# Altium PCB PCB_Smart_Switchboard.PcbDoc
Units mm, origin at the board's own origin, x right, y up, seen from the top; angles counter-clockwise.
Board outline 73 x 41 mm, 4 copper layers (Top Layer, Signal Top, Signal Bottom, Bottom Layer), stack 1.477 mm thick; 34 components, 33 nets, 219 pads, 0 vias.
Unrouted connection lines stored in the file: 55.
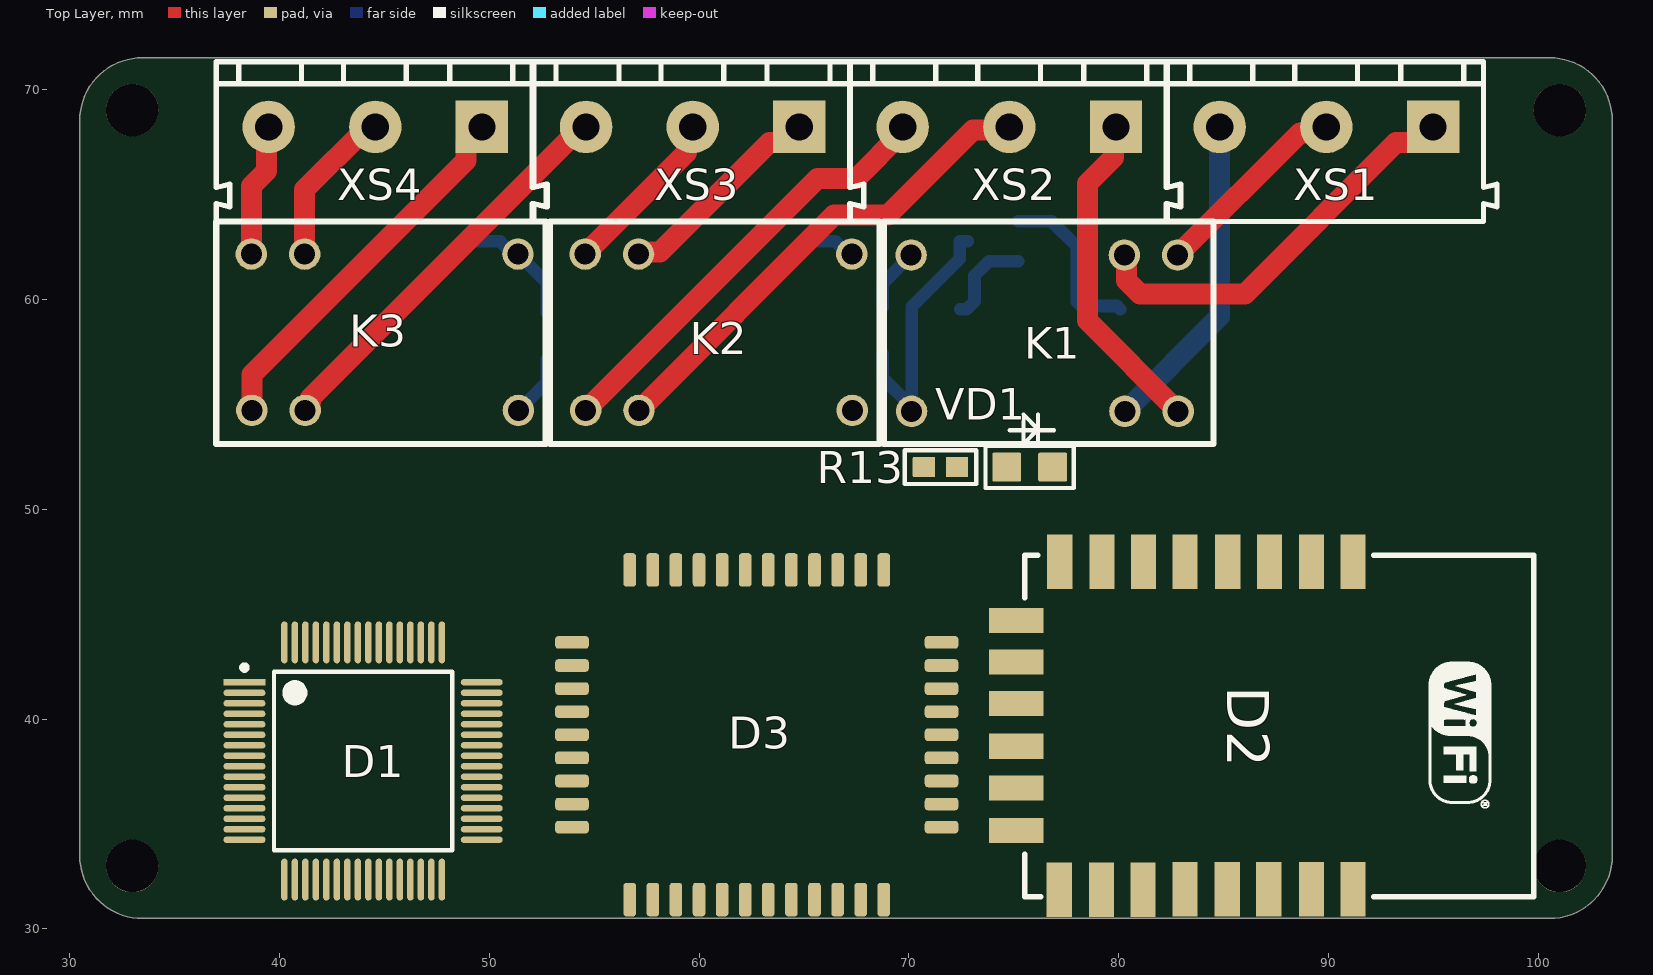
[diagram p0: Top Layer view]
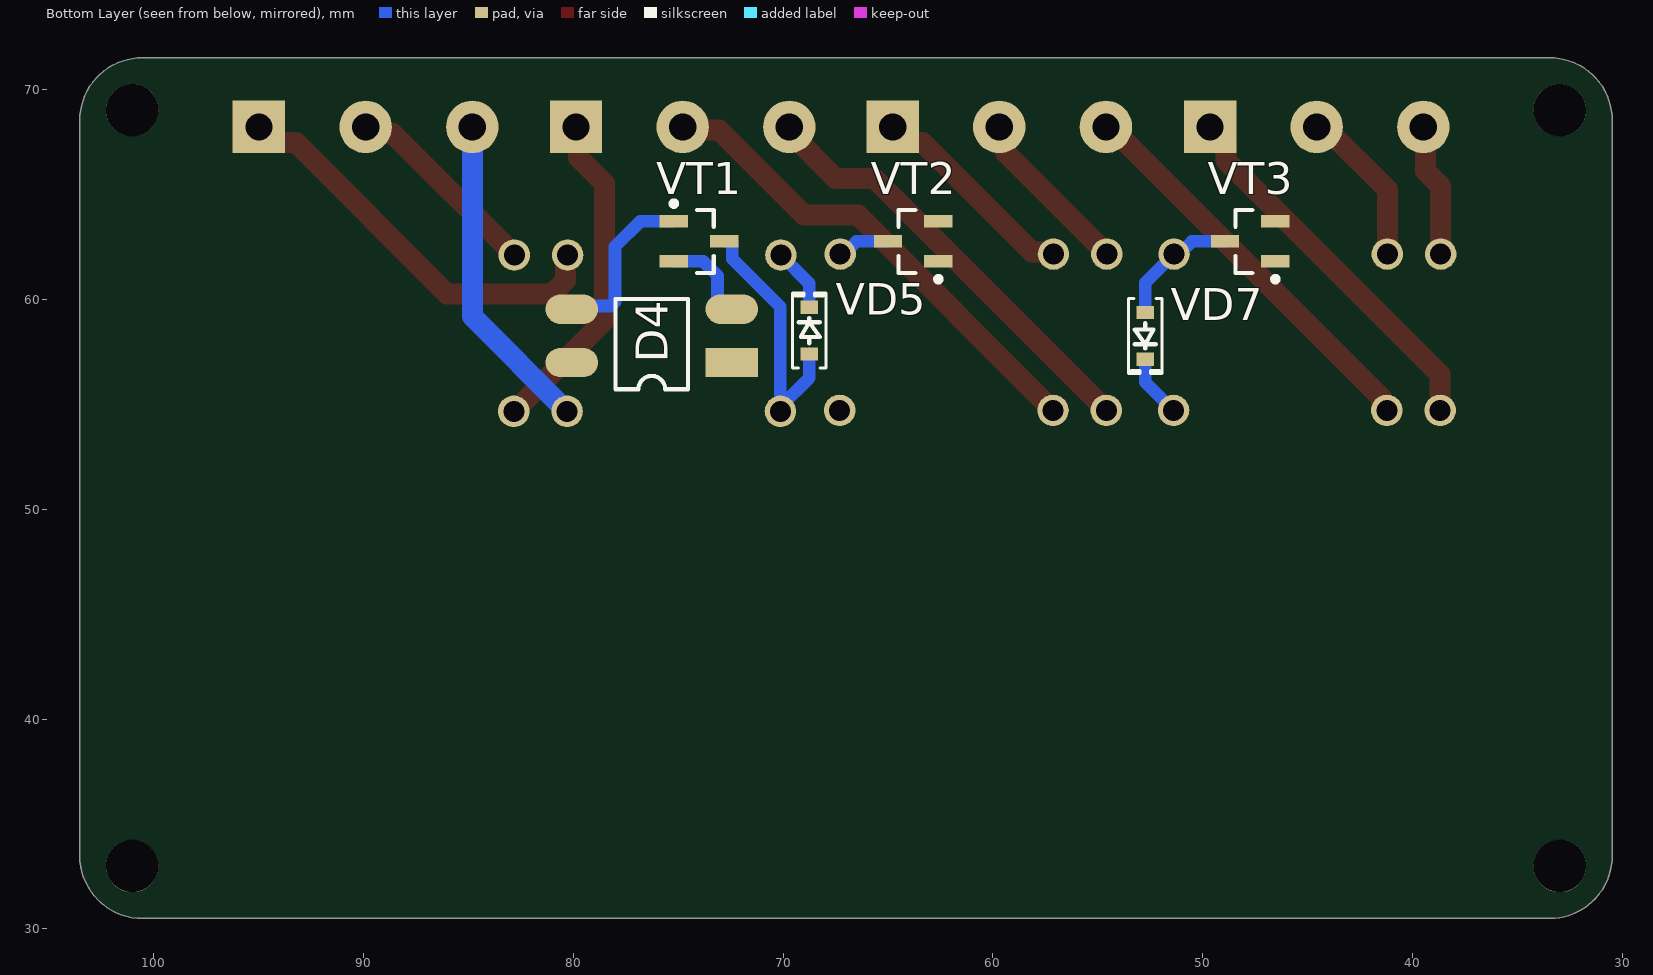
[diagram p1: Bottom Layer view, seen from below]

## Layer stack, top to bottom
Top Solder: solder mask 0.0102, Solder Resist, Dk 3.5
Top Layer: signal copper 0.0175
Dielectric 2: prepreg 0.2083, PP-022, Dk 4.5
Signal Top: signal copper 0.0175
Dielectric 1: core 0.9906, Core-042, Dk 4.6
Signal Bottom: signal copper 0.0175
Dielectric 3: prepreg 0.2083, PP-022, Dk 4.5
Bottom Layer: signal copper 0.0175
Bottom Solder: solder mask 0.0102, Solder Resist, Dk 3.5

## Board outline
30.5,33.5 30.5,68.5 cw(c33.5,68.5) 33.5,71.5 100.5,71.5 cw(c100.5,68.5) 103.5,68.5 103.5,33.5 cw(c100.5,33.5) 100.5,30.5 33.5,30.5 cw(c33.5,33.5)

## Design rules (kind name [scope] priority, off if disabled: settings)
BoardOutlineClearance [All] p1: gap=0.4 ignorepadtopadclearanceinfootprint=FALSE
Clearance [All] p1: gap=0.2 ignorepadtopadclearanceinfootprint=FALSE
ComponentClearance [All] p1: gap=-0.05 collisioncheckmode=3 verticalgap=0.1 showdistances=FALSE
DiffPairsRouting [All] p1: maxlimit=0.15 minlimit=0.125 mostfreqgap=0.125 toplayer_minwidth=0.125 toplayer_maxwidth=1.2 toplayer_prefwidth=0.125 midlayer1_minwidth=0.125 midlayer1_maxwidth=1.2 midlayer1_prefwidth=0.125 midlayer2_minwidth=0.125 midlayer2_maxwidth=1.2 midlayer2_prefwidth=0.125 bottomlayer_minwidth=0.125 bottomlayer_maxwidth=1.2 bottomlayer_prefwidth=0.125 maxuncoupledlength=12.7
FabricationTestpoint [All] p1: side=3 testpointundercomponent=TRUE minsize=1 maxsize=2.5 preferedsize=1.5 minholesize=0 maxholesize=1 preferedholesize=0.8 testpointgrid=0.025 allowsidetop=TRUE allowsidebottom=TRUE usegrid=TRUE gridtolerance=0
Height [All] p1: minheight=0 maxheight=50 prefheight=10
HoleSize [All] p1: absolutevalues=TRUE maxlimit=5 minlimit=0.3 maxpercent=80.000 minpercent=20.000
HoleToHoleClearance [All] p1: gap=0.3 allowstackedmicrovias=TRUE
MinimumAnnularRing "For Via 2" [IsVia] p1: minimumring=0.2
MinimumAnnularRing [All] p2: minimumring=0.2
MinimumSolderMaskSliver [All] p1: minsoldermaskwidth=0.25
PlaneClearance [All] p1: clearance=0.5
PlaneConnect [All] p1: planeconnectstyle=Relief reliefexpansion=0.4 reliefentries=4 reliefconductorwidth=0.2 reliefairgap=0.2
PolygonConnect "For Via" [All vs IsVia] p1: connectstyle=Direct reliefconductorwidth=0.2 reliefentries=4 polygonreliefangle="90 Angle" airgapwidth=0.2
PolygonConnect [All] p2: connectstyle=Relief reliefconductorwidth=0.15 reliefentries=4 polygonreliefangle="90 Angle" airgapwidth=0.2
RoutingCorners [All] p1: cornerstyle=45-Degree minsetback=2.5 maxsetback=2.5
RoutingVias [All] p1: holewidth=0.3 width=0.6 viastyle="Through Hole" minholewidth=0.3 minwidth=0.6 maxholewidth=2 maxwidth=3
SilkToSilkClearance [All] p1: silktosilkclearance=0.05
SilkToSolderMaskClearance [IsPad] p1: minsilkscreentomaskgap=0.2 clearancetoexposedcopper=FALSE
SolderMaskExpansion [All] p1: expansion=0 istentingtop=FALSE
Width [All] p1: maxlimit=5 minlimit=0.2 preferedwidth=0.3 minimp=50.000000 maximp=50.000000 favimp=50.000000
18 further rules are at their usual default settings.

## Classes and differential pairs
component class Sheet_Digital_Input_and_Relay: D4 D5 D6 R1 R2 R3 R5 R6 R7 R9 R10 R11 R13 R14 R15 VD1 VD2 VD3 VD5 VD6 VD7 VT1 VT2 VT3 XS1 XS2 XS3 XS4
component class Sheet_MCU: D1
component class Sheet_ESP8266_SIM800C: * D2 D3

## Components (designator, comment, footprint, x,y, rotation, side; value= is the part's Value field where it differs from the comment)
D1 "STM32f107RCT6" LQFP-64 44,38 r0 top
D2 "ESP-12F" "ESP8266 ESP-12-E" 74.744,30.902 r270 top
D3 "SIM800C" SIM800C 62.75,39.25 r270 top
D4 "PC817" DIP-4 76.25,58.25 r0 bottom
D5 "PC817" DIP-4 248.4,46.9 r90 top
D6 "PC817" DIP-4 183.4,46.9 r90 top
K1 "HF4100F" HK4100F 77,58.6 r0 top
K2 "HF4100F" HK4100F 60.4,58.2 r180 top
K3 "HF4100F" HK4100F 44.5,58.2 r180 top
R1 "Resistor" R0603 121.2,33.1 r0 top value=1к
R2 "Resistor" R0603 116.4,33.1 r0 top value=1к
R3 "Resistor" R0603 111.5,33.1 r0 top value=1к
R5 "Resistor" R0603 114.349,71.6 r0 top value=1к
R6 "Resistor" R0603 242.7,51.1 r0 top value=1к
R7 "Resistor" R0603 177.7,51.1 r0 top value=1к
R9 "Resistor" R0603 137.449,71.6 r0 top value=1к
R10 "Resistor" R0603 265.799,51.1 r0 top value=1к
R11 "Resistor" R0603 200.8,51.1 r0 top value=1к
R13 "Resistor" R0603 71.5,52 r0 top value=1к
R14 "Resistor" R0603 287.599,51.1 r0 top value=1к
R15 "Resistor" R0603 222.6,51.1 r0 top value=1к
VD1 "LED_RED_0805" VD0805 75.75,52 r0 top
VD2 "LED_RED_0805" VD0805 254.499,49.4 r0 top
VD3 "LED_RED_0805" VD0805 189.5,49.4 r0 top
VD5 "Diode 1n4148" SOD323 68.75,58.5 r90 bottom
VD6 "Diode 1n4148" SOD323 258.999,50.1 r90 top
VD7 "Diode 1n4148" SOD323 52.75,58.25 r270 bottom
VT1 "BC847B SOT23-3" INF-SOT23_M 74,62.75 r180 bottom
VT2 "BC847B SOT23-3" INF-SOT23_M 63.8,62.75 r0 bottom
VT3 "BC847B SOT23-3" INF-SOT23_M 47.75,62.75 r0 bottom
XS1 "KF301" KF301-5.08-3P 94.96,68.2 r180 top
XS2 "KF301" KF301-5.08-3P 79.86,68.2 r180 top
XS3 "KF301" KF301-5.08-3P 64.78,68.2 r180 top
XS4 "KF301" KF301-5.08-3P 49.66,68.2 r180 top

## Footprints (in the part's own frame and the unit in brackets; to place one, negate y for a bottom-side part, rotate by r counter-clockwise, add the part's x,y. Pads: shape width x height; smd on the part's side, far side on the other; paste and mask are expansions set on the pad)
DIP-4 [mm]
  rect 2.5x1.4 smd: 1(-3.81,1.27)
  oval 2.5x1.4 smd: 2(-3.81,-1.27) 3(3.81,-1.27) 4(3.81,1.27)
  silkscreen extent -1.73,-1.75 1.73,2.54, body extent -4.4,-2.29 4.4,2.29, height 4.65
"ESP8266 ESP-12-E" [mm] "ESP8266 ESP-12-E"
  rect 2.6x1.2 smd mask+0: 1(-16.586,16.408) 2(-16.586,14.427) 3(-16.586,12.421) 4(-16.586,10.439) 5(-16.586,8.407) 6(-16.586,6.426) 7(-16.586,4.445) 8(-16.586,2.438) 15(-0.965,2.413) 16(-0.965,4.42) 17(-0.965,6.401) 18(-0.991,8.407) 19(-0.991,10.414) 20(-0.991,12.395) 21(-0.991,14.427) 22(-0.991,16.408)
  rect 1.2x2.6 smd mask+0: 9(-13.792,0.356) 10(-11.811,0.356) 11(-9.83,0.356) 12(-7.798,0.356) 13(-5.817,0.356) 14(-3.785,0.356)
  silkscreen extent -16.89,0.76 -0.64,25.02, body extent -16.79,0.93 -0.79,24.93, height 2.18
HK4100F [mm]
  round 1.5 hole 1 mask+0: 1(-6.9,3.5) 2(-6.877,-3.946) 3(3.26,3.5) 4(3.283,-3.946) 5(5.8,3.5) 6(5.823,-3.946)
  silkscreen extent -8.2,-5.5 7.5,5.1
INF-SOT23_M [mm] "SOT23, 3-Leads, Body 2.9x1.3 mm, Pitch 0.95 mm, IPC Low Density"
  rect 1.35x0.6 smd: 1(-1.2,0.95) 2(-1.2,-0.95) 3(1.2,0)
  silkscreen extent -1.33,-1.5 0.7,1.92, body extent -0.7,-1.5 0.7,1.5, height 1.1
KF301-5.08-3P [mm] "KF301, pitch 5.08mm, 3Pins, 300V, 16A (250V, 17A)"
  rect 2.5x2.5 hole 1.3: 1(0,0)
  round 2.5 hole 1.3: 2(5.08,0) 3(10.16,0)
  silkscreen extent -3.05,-3.1 12.66,4.5, body extent -3.05,-3.05 12.55,4.55, height 10
LQFP-64 [mm] "TSQFP, 64-Leads, Body 12,0x12,0mm (max), Pitch 0,50mm, IPC Low Density"
  rect 2x0.3 smd mask+0: 1(-5.65,3.75)
  oval 2x0.3 smd mask+0: 2(-5.65,3.25) 3(-5.65,2.75) 4(-5.65,2.25) 5(-5.65,1.75) 6(-5.65,1.25) 7(-5.65,0.75) 8(-5.65,0.25) 9(-5.65,-0.25) 10(-5.65,-0.75) 11(-5.65,-1.25) 12(-5.65,-1.75) 13(-5.65,-2.25) 14(-5.65,-2.75) 15(-5.65,-3.25) 16(-5.65,-3.75) 33(5.65,-3.75) 34(5.65,-3.25) 35(5.65,-2.75) 36(5.65,-2.25) 37(5.65,-1.75) 38(5.65,-1.25) 39(5.65,-0.75) 40(5.65,-0.25) 41(5.65,0.25) 42(5.65,0.75) 43(5.65,1.25) 44(5.65,1.75) 45(5.65,2.25) 46(5.65,2.75) 47(5.65,3.25) 48(5.65,3.75)
  oval 0.3x2 smd mask+0: 17(-3.75,-5.65) 18(-3.25,-5.65) 19(-2.75,-5.65) 20(-2.25,-5.65) 21(-1.75,-5.65) 22(-1.25,-5.65) 23(-0.75,-5.65) 24(-0.25,-5.65) 25(0.25,-5.65) 26(0.75,-5.65) 27(1.25,-5.65) 28(1.75,-5.65) 29(2.25,-5.65) 30(2.75,-5.65) 31(3.25,-5.65) 32(3.75,-5.65) 49(3.75,5.65) 50(3.25,5.65) 51(2.75,5.65) 52(2.25,5.65) 53(1.75,5.65) 54(1.25,5.65) 55(0.75,5.65) 56(0.25,5.65) 57(-0.25,5.65) 58(-0.75,5.65) 59(-1.25,5.65) 60(-1.75,5.65) 61(-2.25,5.65) 62(-2.75,5.65) 63(-3.25,5.65) 64(-3.75,5.65)
  silkscreen extent -5.77,-4.25 4.25,4.57, body extent -6.07,-6.1 6.07,6.05, height 1.63
R0603 [mil]
  rrect10% 42x38 smd: 1(-31,0) 2(31,0)
  Top Layer pour cut-out: 5.9,-23.63 5.9,23.62 -5.91,23.62 -5.91,-23.63
  silkscreen extent -67,-31 67,31, body extent -33,-16 33,16, height 22
SIM800C [mm] "SIM800C"
  rrect50% 1.6x0.6 smd mask+0: 1(-7.85,6.05) 2(-7.85,4.95) 3(-7.85,3.85) 4(-7.85,2.75) 5(-7.85,1.65) 6(-7.85,0.55) 7(-7.85,-0.55) 8(-7.85,-1.65) 9(-7.85,-2.75) 10(-7.85,-3.85) 11(-7.85,-4.95) 12(-7.85,-6.05) 22(7.85,-6.05) 23(7.85,-4.95) 24(7.85,-3.85) 25(7.85,-2.75) 26(7.85,-1.65) 27(7.85,-0.55) 28(7.85,0.55) 29(7.85,1.65) 30(7.85,2.75) 31(7.85,3.85) 32(7.85,4.95) 33(7.85,6.05)
  rrect50% 0.6x1.6 smd mask+0: 13(-4.4,-8.8) 14(-3.3,-8.8) 15(-2.2,-8.8) 16(-1.1,-8.8) 17(0,-8.8) 18(1.1,-8.8) 19(2.2,-8.8) 20(3.3,-8.8) 21(4.4,-8.8) 34(4.4,8.8) 35(3.3,8.8) 36(2.2,8.8) 37(1.1,8.8) 38(0,8.8) 39(-1.1,8.8) 40(-2.2,8.8) 41(-3.3,8.8) 42(-4.4,8.8)
  body extent -7.85,-8.8 7.85,8.8, height 2.32
SOD323 [mm] "SOD, 2-Leads, Body 1.25x2.50mm, IPC Medium Density"
  rect 0.625x0.83 smd: 1(-1.112,0) 2(1.112,0)
  silkscreen extent -1.78,-0.8 1.78,0.8, body extent -1.36,-0.63 1.36,0.62, height 1.05
VD0805 [mil]
  rrect10% 54x54 smd: 1(-43,0) 2(43,0)
  Top Layer pour cut-out: -11.81,31.5 -11.81,-31.49 11.81,-31.49 11.81,31.5
  silkscreen extent -83,-39 83,98, body extent -45,-27 45,27, height 30

## Part data
D1: Manufacturer 1=STMicroelectronics, Manufacturer Part Number 1=STM32F107RCT6
D4 D5 D6: Manufacturer 1=UMW, Manufacturer Part Number 1=PC817C
R1 R2 R3 R5 R6 R7 R9 R10 R11 R13 R14 R15: library part "ОСМ Р1-12 -0,1- 1 кОм ± 5%", Manufacturer 1=YAGEO, Manufacturer Part Number 1=RC0603JR-071KL, Power="0,1 Вт", Tolerance="± 1% - М", HelpURL=Datasheets\Р1-12.pdf, Size=0603, TU="АЛЯР.434110.005ТУ, РД В 22.02.218"
VD1 VD2 VD3: Manufacturer 1=Kingbright, Manufacturer Part Number 1=KPHCM-2012SURCK
VD5 VD6 VD7: Manufacturer 1=Hottech, Manufacturer Part Number 1=1N4148WS
VT1 VT2 VT3: "NPN Transistor", Manufacturer 1=Hottech, Manufacturer Part Number 1=BC847B, CompType=BC847B, Part Number="BC847B SOT23-3", Size=SOT23-3
XS1 XS2 XS3 XS4: Manufacturer 1="CIXI SANHE", Manufacturer Part Number 1=KF301-5.0-3P

## Free pads (board coordinates)
  round 2.5 hole 2.5 unplated mask+0.102: M1(33,33) M1(33,69) M1(101,33) M1(101,69)

## Nets (pads, with @x,y where several pads share a name; then routed paths per layer and width w, separated by ;. In a path a pad name is that pad's centre, name@x,y a point inside that pad or via, vN(x,y) a via of type N, cw(c..) or ccw(c..) an arc to the next point about the centre after c; other vN are vias at no path point)
5V: K1.1 K2.1 K3.1 R9.1 R10.1 R11.1 R13.1 R14.1 R15.1 VD5.2 VD6.2 VD7.2 | length 6
  Bottom Layer w0.6: K3.1 52.75,56.05 VD7.2 ; VD5.2 68.75,60.75 K1.1
+3.3V: D1.13 D1.19 D1.32 D1.47 D1.64 D2.8
GND: D1.12 D1.18 D1.31 D1.48 D1.63 D2.15 D3.8 D3.13 D3.19 D3.21 D3.27 D3.30 D3.31 D3.33 D3.36 D3.37 D4.2 D5.2 D6.2 R1.2 R2.2 R3.2 VT1.2 VT2.2 VT3.2 | length 4.4
  Bottom Layer w0.6: D4.2 72.75,59.52 73.12,59.89 73.12,61.12 73.8,61.8 VT1.2
NetD4_1: D4.1 R5.2
NetD4_3: D4.3 VT1.1 | length 8.1
  Bottom Layer w0.6: VT1.1 76.8,63.7 78,62.5 78,59.871 78.198,59.673 79.907,59.673 D4.3
NetD4_4: D4.4 R9.2
NetD5_1: D5.1 R6.2
NetD5_3: D5.3 VT2.1
NetD5_4: D5.4 R10.2
NetD6_1: D6.1 R7.2
NetD6_3: D6.3 VT3.1
NetD6_4: D6.4 R11.2
NetK1_2: K1.2 VD1.2 VD5.1 VT1.3 | length 12.7
  Bottom Layer w0.6: VD5.1 68.75,56.25 70.123,54.877 K1.2 70.123,59.623 72.425,61.925 72.425,62.75 VT1.3
NetK1_3: K1.3 XS1.1 | length 19.4
  Top Layer w1: K1.3 80.356,62.004 80.356,60.894 81,60.25 86,60.25 93.2,67.45 94.21,67.45 XS1.1
NetK1_4: K1.4 XS1.3 | length 15.4
  Bottom Layer w1: K1.4 84.8,59.171 XS1.3
NetK1_5: K1.5 XS1.2 | length 9.6
  Top Layer w1: K1.5 88.613,67.913 89.593,67.913 XS1.2
NetK1_6: K1.6 XS2.1 | length 15.9
  Top Layer w1: XS2.1 79.75,68.09 79.75,66.75 78.5,65.5 78.5,58.977 K1.6
NetK2_2: K2.2 VD2.2 VD6.1 VT2.3 | length 2.5
  Bottom Layer w0.6: VT2.3 66.51,62.75 67.114,62.146 K2.2
NetK2_3: K2.3 XS2.2 | length 23.2
  Top Layer w1: K2.3 66.44,64 69,64 73.045,68.045 74.625,68.045 XS2.2
NetK2_4: K2.4 XS3.1 | length 10.2
  Top Layer w1: K2.4 57.213,62.241 58.141,62.241 63.35,67.45 64.03,67.45 XS3.1
NetK2_5: K2.5 XS2.3 | length 20.8
  Top Layer w1: K2.5 65.65,65.75 67.5,65.75 69.7,67.95 XS2.3
NetK2_6: K2.6 XS3.2 | length 8.2
  Top Layer w1: K2.6 59.413,66.982 59.413,67.913 XS3.2
NetK3_2: K3.2 VD3.2 VD7.1 VT3.3 | length 6
  Bottom Layer w0.6: VT3.3 50.53,62.75 51.134,62.146 K3.2 52.75,60.773 VD7.1
NetK3_3: K3.3 XS3.3 | length 19.2
  Top Layer w1: K3.3 41.24,54.835 41.49,55.085 41.49,55.29 54.4,68.2 XS3.3
NetK3_4: K3.4 XS4.2 | length 7.7
  Top Layer w1: K3.4 41.217,65.217 44.2,68.2 XS4.2
NetK3_5: K3.5 XS4.1 | length 18
  Top Layer w1: K3.5 38.7,56.4 48.91,66.61 48.91,67.45 XS4.1
NetK3_6: K3.6 XS4.3 | length 6.4
  Top Layer w1: K3.6 38.677,65.377 39.4,66.1 39.4,68.1 XS4.3
NetR13_2: R13.2 VD1.1
NetR14_2: R14.2 VD2.1
NetR15_2: R15.2 VD3.1
Relay1: R1.1 R5.1
Relay2: R2.1 R6.1
Relay3: R3.1 R7.1
pads on no net: D1.1 D1.2 D1.3 D1.4 D1.5 D1.6 D1.7 D1.8 D1.9 D1.10 D1.11 D1.14 D1.15 D1.16 D1.17 D1.20 D1.21 D1.22 D1.23 D1.24 D1.25 D1.26 D1.27 D1.28 D1.29 D1.30 D1.33 D1.34 D1.35 D1.36 D1.37 D1.38 D1.39 D1.40 D1.41 D1.42 D1.43 D1.44 D1.45 D1.46 D1.49 D1.50 D1.51 D1.52 D1.53 D1.54 D1.55 D1.56 D1.57 D1.58 D1.59 D1.60 D1.61 D1.62 D2.1 D2.2 D2.3 D2.4 D2.5 D2.6 D2.7 D2.9 D2.10 D2.11 D2.12 D2.13 D2.14 D2.16 D2.17 D2.18 D2.19 D2.20 D2.21 D2.22 D3.1 D3.2 D3.3 D3.4 D3.5 D3.6 D3.7 D3.9 D3.10 D3.11 D3.12 D3.14 D3.15 D3.16 D3.17 D3.18 D3.20 D3.22 D3.23 D3.24 D3.25 D3.26 D3.28 D3.29 D3.32 D3.34 D3.35 D3.38 D3.39 D3.40 D3.41 D3.42

## Silkscreen, mask and mechanical layers (free items; w line width, h text height)
Board:
  lines w0.2: 33.5,71.5 ccw(c33.5,68.5) 30.5,68.5 30.5,33.5 ccw(c33.5,33.5) 33.5,30.5 100.5,30.5 ccw(c100.5,33.5) 103.5,33.5 103.5,68.5 ccw(c100.5,68.5) 100.5,71.5 ; 35.5,71.5 102.5,71.5

## Text inside footprints (layer, text, board x,y; h text height)
D2: Mechanical 13 "ANTENNA AREA" at 99.143,47.487 h0.25 r270; Mechanical 13 "CUTOUT POLYGON" at 98.635,47.487 h0.25 r270